# Allegro board AB9.brd (continued)
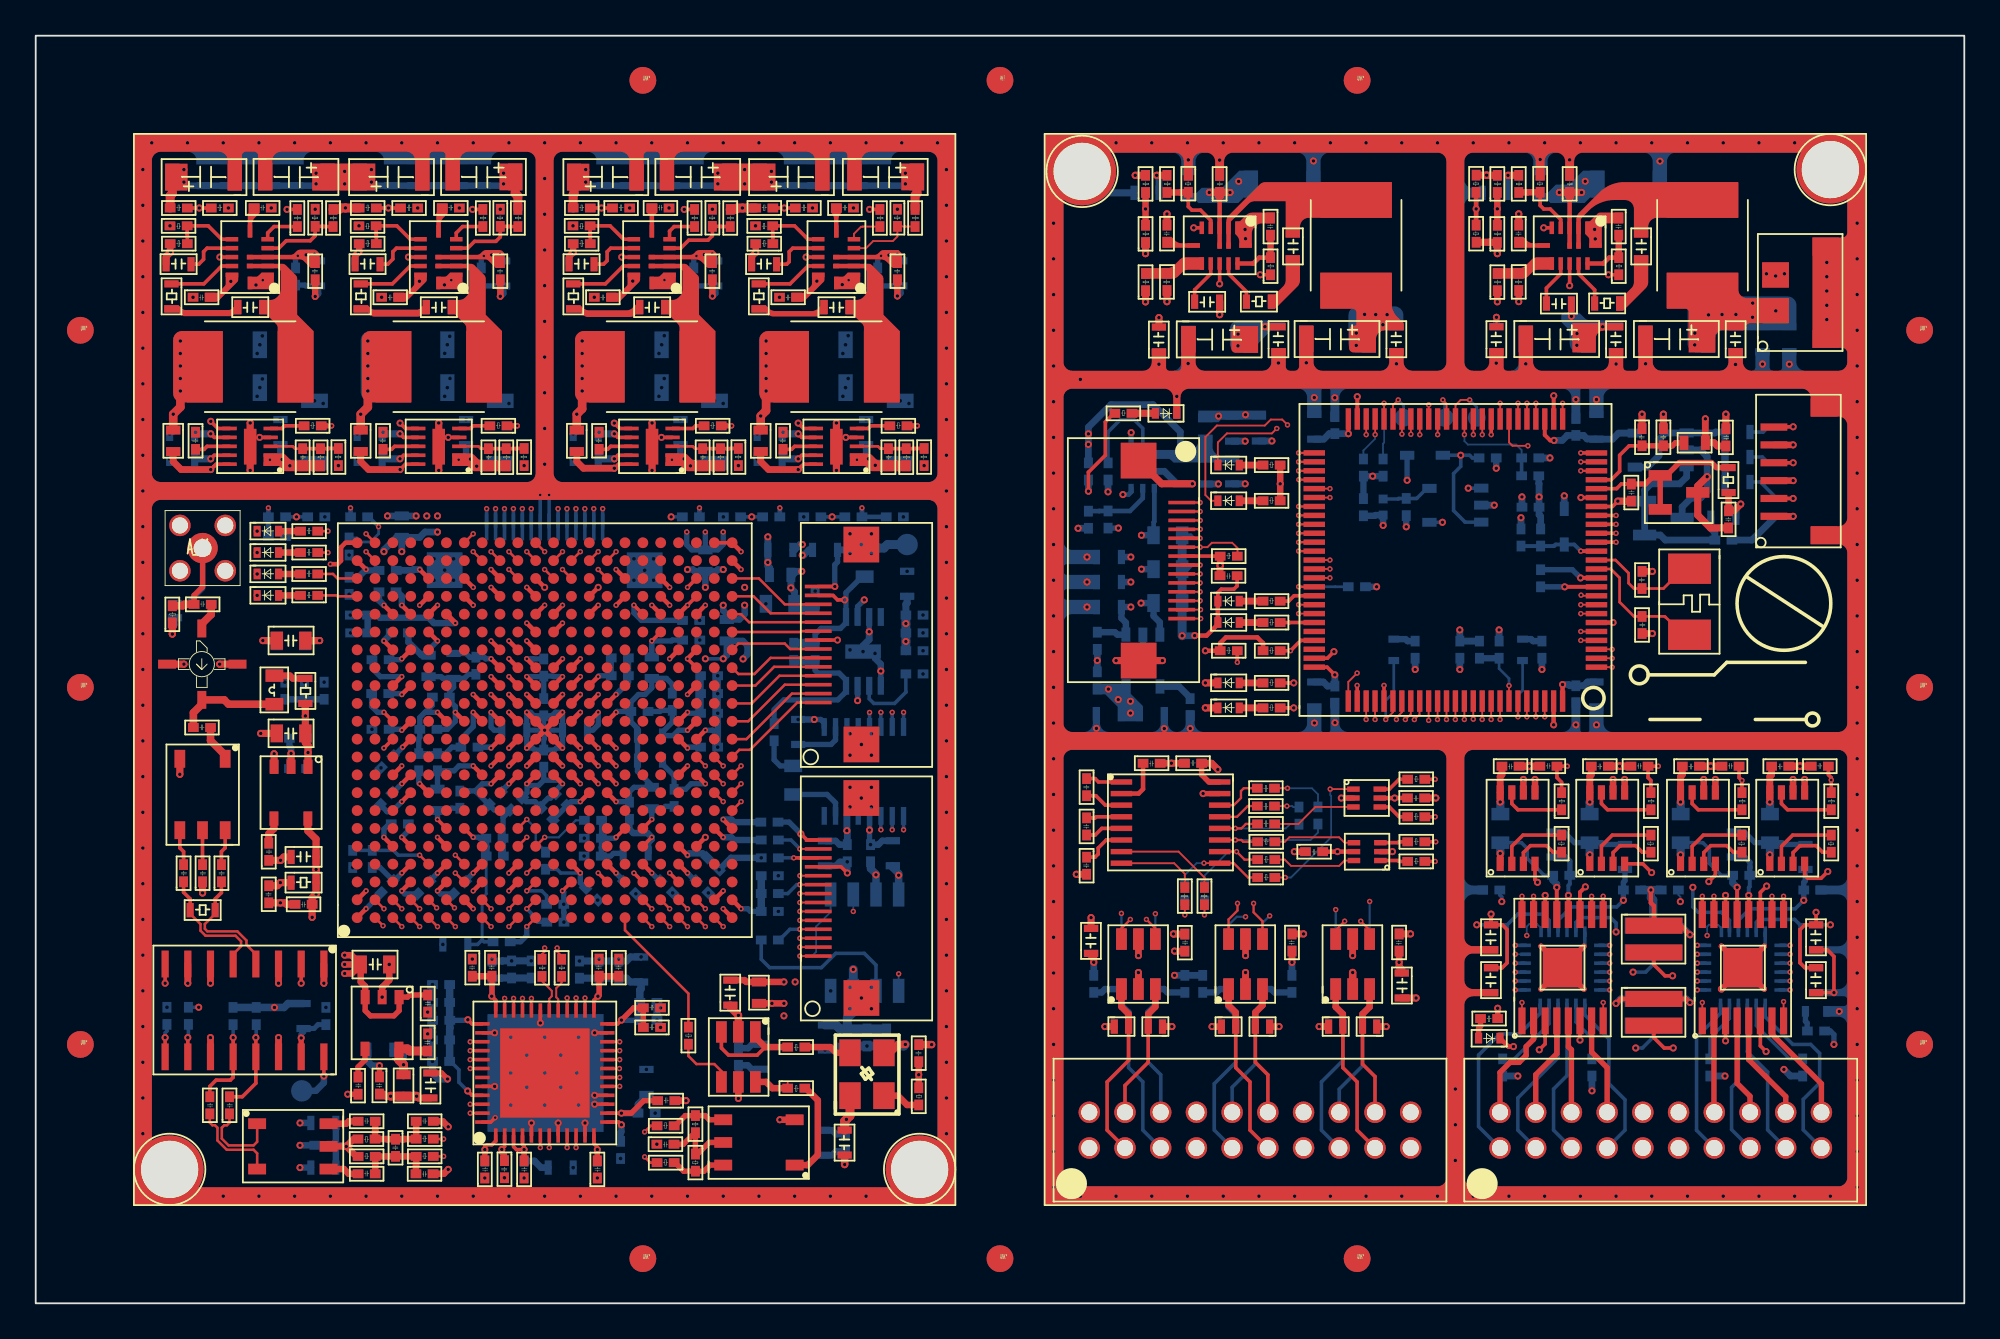
[diagram p0: board, top side]
## Placement (name value [footprint] x y rotation side) (continued)
NOREF#1255  -  []  79.85 26.08 90 top
NOREF#1256  -  []  86.99 36.5 0 top
NOREF#1257  -  []  15.8 24.6 90 top
NOREF#1258  -  []  46 60.7 90 top
NOREF#1259  -  []  19.45 31.76 90 top
NOREF#1260  -  []  48.62 59.21 90 top
NOREF#1261  -  []  29.2 31.7 90 top
NOREF#1262  -  []  60.8 27.25 90 top
NOREF#1263  -  []  36.97 49.54 0 top
NOREF#1264  -  []  71.75 32.18 90 top
NOREF#1265  -  []  15.97 38.48 0 top
NOREF#1266  -  []  102.68 25.76 90 top
NOREF#1267  -  []  64.7 61.12 90 top
NOREF#1268  -  []  58.49 39.2 0 top
NOREF#1269  -  []  38.96 46.46 90 top
NOREF#1270  -  []  38.1 50.5 90 top
NOREF#1271  -  []  6.48 36.05 90 top
NOREF#1272  -  []  86.8 26.54 90 top
NOREF#1273  -  []  16.91 8.01 0 top
NOREF#1274  -  []  21.07 7.06 90 top
NOREF#1275  -  []  63.5 58.32 90 top
NOREF#1276  -  []  79.35 20.85 0 top
NOREF#1277  -  []  12.4 52.1 0 top
NOREF#1278  -  []  22.9 54.5 0 top
NOREF#1279  -  []  36.8 30 90 top
NOREF#1280  -  []  83.2 58.32 90 top
NOREF#1281  -  []  98.5 17.3 90 top
NOREF#1282  -  []  43.34 60.18 90 top
NOREF#1283  -  []  14.57 49.54 0 top
NOREF#1284  -  []  33.79 14.8 0 top
NOREF#1285  -  []  86.62 13.23 0 top
NOREF#1286  -  []  76.74 20.87 90 top
NOREF#1287  -  []  7.3 49.91 0 top
NOREF#1288  -  []  63.45 48.68 90 top
NOREF#1289  -  []  69.19 54.01 0 top
NOREF#1290  -  []  31.75 25.35 0 top
NOREF#1291  -  []  93.63 30.47 90 top
NOREF#1292  -  []  21.07 6.08 90 top
NOREF#1293  -  []  44.49 64.1 90 top
NOREF#1294  -  []  104.8 34.6 90 top
NOREF#1295  -  []  65.71 21.43 0 top
NOREF#1296  -  []  8.55 22.43 0 top
NOREF#1297  -  []  15.97 39.68 0 top
NOREF#1298  -  []  41.77 25.56 0 top
NOREF#1299  -  []  19.25 58.18 0 top
NOREF#1300  -  []  44.49 65.7 0 top
NOREF#1301  -  []  38.49 18.2 0 top
NOREF#1302  -  []  13.75 28.78 0 top
NOREF#1303  -  []  32.36 6.05 90 top
NOREF#1304  -  []  88.69 60 90 top
NOREF#1305  -  []  90.97 44.47 0 top
NOREF#1306  -  []  65.7 15.8 90 top
NOREF#1307  -  []  48.27 36.16 90 top
NOREF#1308  -  []  43.8 41.75 0 top
NOREF#1309  -  []  11.59 62.5 0 top
NOREF#1310  -  []  45.79 62.5 0 top
NOREF#1311  -  []  19.5 48.29 90 top
NOREF#1312  -  []  39.01 9.4 90 top
NOREF#1313  -  []  86.19 49.9 0 top
NOREF#1314  -  []  95.31 44.41 0 top
NOREF#1315  -  []  94.79 54.8 0 top
NOREF#1316  -  []  92.9 50.01 0 top
NOREF#1317  -  []  68.2 48.19 90 top
NOREF#1318  -  []  34.1 25.9 0 top
NOREF#1319  -  []  77.97 24.68 0 top
NOREF#1320  -  []  98.5 20.51 0 top
NOREF#1321  -  []  33.57 15.84 0 top
NOREF#1322  -  []  34.37 10.96 90 top
NOREF#1323  -  []  18.3 62.27 0 top
NOREF#1324  -  []  15.09 44.3 90 top
NOREF#1325  -  []  84.63 45.18 90 top
NOREF#1326  -  []  48.27 39.72 0 top
NOREF#1327  -  []  24.32 9.02 90 top
NOREF#1328  -  []  26.74 46.45 90 top
NOREF#1329  -  []  38.3 37.7 0 top
NOREF#1330  -  []  43.07 55.96 90 top
NOREF#1331  -  []  26.32 32.09 0 top
NOREF#1332  -  []  94.41 46.45 0 top
NOREF#1333  -  []  87.25 28.91 90 top
NOREF#1334  -  []  61.62 58.32 0 top
NOREF#1335  -  []  22.73 14.5 0 top
NOREF#1336  -  []  42.3 34.91 90 top
NOREF#1337  -  []  63.2 14.8 0 top
NOREF#1338  -  []  24.06 17.86 0 top
NOREF#1339  -  []  30.2 17.89 90 top
NOREF#1340  -  []  58.28 39.65 0 top
NOREF#1341  -  []  85.7 25.76 0 top
NOREF#1342  -  []  82.79 59.93 90 top
NOREF#1343  -  []  46.42 57.7 0 top
NOREF#1344  -  []  23.64 16.68 90 top
NOREF#1345  -  []  34.3 20.31 0 top
NOREF#1346  -  []  16.34 46.45 90 top
NOREF#1347  -  []  21.07 9.02 90 top
NOREF#1348  -  []  94.05 22.76 90 top
NOREF#1349  -  []  64.7 56.39 0 top
NOREF#1350  -  []  46.09 48 0 top
NOREF#1351  -  []  49.36 46.46 0 top
NOREF#1352  -  []  85.7 36.63 90 top
NOREF#1353  -  []  85.37 28.91 0 top
NOREF#1354  -  []  42.3 34.91 90 top
NOREF#1355  -  []  25.86 6.57 0 top
NOREF#1356  -  []  81.38 29.18 0 top
NOREF#1357  -  []  83.23 15.82 0 top
NOREF#1358  -  []  34.9 25.9 90 top
NOREF#1359  -  []  62.82 61.12 0 top
NOREF#1360  -  []  67.9 53.2 90 top
NOREF#1361  -  []  46.73 42.88 90 top
NOREF#1362  -  []  45.84 25.87 90 top
NOREF#1363  -  []  83.75 40.63 0 top
NOREF#1364  -  []  32.86 25.05 0 top
NOREF#1365  -  []  67.41 45.8 90 top
NOREF#1366  -  []  13.56 33.37 0 top
NOREF#1367  -  []  19.33 30.8 0 top
NOREF#1368  -  []  68.4 54.01 0 top
NOREF#1369  -  []  6.59 47.5 90 top
NOREF#1370  -  []  40.17 26.12 0 top
NOREF#1371  -  []  89.5 24.35 0 top
NOREF#1372  -  []  8.99 62.5 90 top
NOREF#1373  -  []  75.29 17 0 top
NOREF#1374  -  []  43.07 55.96 90 top
NOREF#1375  -  []  8.37 31.86 90 top
NOREF#1376  -  []  91.75 31.25 0 top
NOREF#1377  -  []  86.96 42.85 90 top
NOREF#1378  -  []  61.4 43.92 90 top
NOREF#1379  -  []  21.9 16.1 0 top
NOREF#1380  -  []  25.63 56.87 0 top
NOREF#1381  -  []  19.49 62.5 90 top
NOREF#1382  -  []  94.79 54.01 0 top
NOREF#1383  -  []  46.09 48 90 top
NOREF#1384  -  []  99.4 53.2 90 top
NOREF#1385  -  []  34.1 34.8 0 top
NOREF#1386  -  []  75.2 14.8 0 top
NOREF#1387  -  []  60.8 29.2 0 top
NOREF#1388  -  []  26.96 46.46 0 top
NOREF#1389  -  []  21.07 6.08 90 top
NOREF#1390  -  []  43.19 62.5 0 top
NOREF#1391  -  []  38.96 12.87 0 top
NOREF#1392  -  []  8.07 26.5 0 top
NOREF#1393  -  []  25.96 48.33 0 top
NOREF#1394  -  []  26.74 46.45 90 top
NOREF#1395  -  []  13.44 24.35 90 top
NOREF#1396  -  []  80.6 54.01 0 top
NOREF#1397  -  []  96.39 53.2 90 top
NOREF#1398  -  []  47.87 56.87 0 top
NOREF#1399  -  []  72 25.76 90 top
NOREF#1400  -  []  8.1 38.3 90 top
NOREF#1401  -  []  35.93 8.77 0 top
NOREF#1402  -  []  21.42 15.21 0 top
NOREF#1403  -  []  48.27 36.16 0 top
NOREF#1404  -  []  28.35 59.21 90 top
NOREF#1405  -  []  87.97 24.36 90 top
NOREF#1406  -  []  92.9 50.01 0 top
NOREF#1407  -  []  32.26 17.86 0 top
NOREF#1408  -  []  17.36 22.35 90 top
NOREF#1409  -  []  32.36 6.05 0 top
NOREF#1410  -  []  25.74 46.45 90 top
NOREF#1411  -  []  31.37 57.8 90 top
NOREF#1412  -  []  95.57 28.91 0 top
NOREF#1413  -  []  17.55 26.75 0 top
NOREF#1414  -  []  86.64 50.03 0 top
NOREF#1415  -  []  40 30.41 0 top
NOREF#1416  -  []  63.69 45.8 90 top
NOREF#1417  -  []  37.81 6.71 90 top
NOREF#1418  -  []  63.2 14.2 0 top
NOREF#1419  -  []  83.2 55.62 90 top
NOREF#1420  -  []  92.35 28.91 90 top
NOREF#1421  -  []  84.63 46.18 90 top
NOREF#1422  -  []  92.9 49.2 90 top
NOREF#1423  -  []  17.16 41.13 0 top
NOREF#1424  -  []  46.42 56.89 90 top
NOREF#1425  -  []  47.54 58.17 90 top
NOREF#1426  -  []  93.31 43.9 90 top
NOREF#1427  -  []  49.36 46.46 90 top
NOREF#1428  -  []  37.24 58.17 90 top
NOREF#1429  -  []  37.19 7.9 0 top
NOREF#1430  -  []  100.43 21.98 90 top
NOREF#1431  -  []  73.82 25.8 0 top
NOREF#1432  -  []  33.57 16.94 0 top
NOREF#1433  -  []  38.36 59.21 0 top
NOREF#1434  -  []  14.57 49.54 0 top
NOREF#1435  -  []  21.42 15.21 0 top
NOREF#1436  -  []  16.56 46.46 0 top
NOREF#1437  -  []  77.15 46.14 90 top
NOREF#1438  -  []  24.97 49.54 0 top
NOREF#1439  -  []  66.6 49 0 top
NOREF#1440  -  []  24.32 9.02 90 top
NOREF#1441  -  []  26.96 46.46 90 top
NOREF#1442  -  []  21.6 38.1 0 top
NOREF#1443  -  []  30.92 28.39 90 top
NOREF#1444  -  []  36.46 60.05 0 top
NOREF#1445  -  []  21.57 60.18 0 top
NOREF#1446  -  []  21.5 62.27 90 top
NOREF#1447  -  []  9 46.89 90 top
NOREF#1448  -  []  91.5 24.35 90 top
NOREF#1449  -  []  74.69 45.6 0 top
NOREF#1450  -  []  33.99 62.5 0 top
NOREF#1451  -  []  86.8 54.79 90 top
NOREF#1452  -  []  7.75 22.51 0 top
NOREF#1453  -  []  40.17 19.96 90 top
NOREF#1454  -  []  70.5 56.51 90 top
NOREF#1455  -  []  15.3 36.5 90 top
NOREF#1456  -  []  86.8 26.54 90 top
NOREF#1457  -  []  74.92 46.83 0 top
NOREF#1458  -  []  40.7 62.27 0 top
NOREF#1459  -  []  102.45 28.91 90 top
NOREF#1460  -  []  19.32 30.33 90 top
NOREF#1461  -  []  81.32 55.62 0 top
NOREF#1462  -  []  33.57 15.06 90 top
NOREF#1463  -  []  29.2 31.7 90 top
NOREF#1464  -  []  22.99 38.1 0 top
NOREF#1465  -  []  15.26 56.87 90 top
NOREF#1466  -  []  79.85 28.18 90 top
NOREF#1467  -  []  59.2 42.31 0 top
NOREF#1468  -  []  66.67 62.73 90 top
NOREF#1469  -  []  19.04 37.38 90 top
NOREF#1470  -  []  17.85 38.48 90 top
NOREF#1471  -  []  44.61 22.8 90 top
NOREF#1472  -  []  34.05 61.74 0 top
NOREF#1473  -  []  39.01 9.4 90 top
NOREF#1474  -  []  94.41 46.45 0 top
NOREF#1475  -  []  41.1 34.91 0 top
NOREF#1476  -  []  68.2 48.19 90 top
NOREF#1477  -  []  44.42 17.5 90 top
NOREF#1478  -  []  92.45 47.8 90 top
NOREF#1479  -  []  39.74 12.87 90 top
NOREF#1480  -  []  30.25 23.88 0 top
NOREF#1481  -  []  88.05 20.6 0 top
NOREF#1482  -  []  31.5 49.11 90 top
NOREF#1483  -  []  74.62 44.62 0 top
NOREF#1484  -  []  30.26 26.44 90 top
NOREF#1485  -  []  63.69 45.8 0 top
NOREF#1486  -  []  31.25 27.81 90 top
NOREF#1487  -  []  60.38 35.89 0 top
NOREF#1488  -  []  29.9 49.91 0 top
NOREF#1489  -  []  61.62 61.12 0 top
NOREF#1490  -  []  87.16 48.54 0 top
NOREF#1491  -  []  80.3 18.11 0 top
NOREF#1492  -  []  40.01 -2.4 90 top
NOREF#1493  -  []  28.16 22.52 0 top
NOREF#1494  -  []  98.5 25.6 90 top
NOREF#1495  -  []  21.76 16.68 0 top
NOREF#1496  -  []  6.39 58.8 0 top
NOREF#1497  -  []  89.5 49.35 90 top
NOREF#1498  -  []  61.58 33.31 90 top
NOREF#1499  -  []  36.67 43.52 90 top
NOREF#1500  -  []  69.8 14.2 90 top
NOREF#1501  -  []  13 60.7 90 top
NOREF#1502  -  []  46.21 7.1 90 top
NOREF#1503  -  []  31.32 22.18 0 top
NOREF#1504  -  []  63.3 31.81 90 top
NOREF#1505  -  []  64.83 32.38 0 top
NOREF#1506  -  []  66.48 22.83 90 top
NOREF#1507  -  []  68.76 59.37 90 top
NOREF#1508  -  []  90.8 63.5 0 top
NOREF#1509  -  []  36.8 31.4 90 top
NOREF#1510  -  []  18.1 26.2 90 top
NOREF#1511  -  []  72.9 14.2 90 top
NOREF#1512  -  []  48.72 59.21 0 top
NOREF#1513  -  []  48.4 52.9 90 top
NOREF#1514  -  []  93.7 49.4 0 top
NOREF#1515  -  []  40.3 48.29 0 top
NOREF#1516  -  []  18.27 55 90 top
NOREF#1517  -  []  60.3 45.01 0 top
NOREF#1518  -  []  71.4 63.5 0 top
NOREF#1519  -  []  6.48 36.05 0 top
NOREF#1520  -  []  15.26 56.87 0 top
NOREF#1521  -  []  65.77 61.12 0 top
NOREF#1522  -  []  86.65 31.25 0 top
NOREF#1523  -  []  36.85 21.25 90 top
NOREF#1524  -  []  32.26 16.15 0 top
NOREF#1525  -  []  65.48 57.23 90 top
NOREF#1526  -  []  57.89 21.1 0 top
NOREF#1527  -  []  19.49 62.5 0 top
NOREF#1528  -  []  83.44 62.45 0 top
NOREF#1529  -  []  30.82 55.96 0 top
NOREF#1530  -  []  25.4 28.36 90 top
NOREF#1531  -  []  57.9 20.31 0 top
NOREF#1532  -  []  30.92 28.39 90 top
NOREF#1533  -  []  25.95 28.91 0 top
NOREF#1534  -  []  13.56 33.37 0 top
NOREF#1535  -  []  83.75 42.91 0 top
NOREF#1536  -  []  66.89 57.3 0 top
NOREF#1537  -  []  41.9 48.29 90 top
NOREF#1538  -  []  19.33 30.8 0 top
NOREF#1539  -  []  75.7 46.83 90 top
NOREF#1540  -  []  9.68 8.55 90 top
NOREF#1541  -  []  61.62 61.12 0 top
NOREF#1542  -  []  41.13 21.6 0 top
NOREF#1543  -  []  92.9 48.61 0 top
NOREF#1544  -  []  24.2 18.67 0 top
NOREF#1545  -  []  61.57 48.68 0 top
NOREF#1546  -  []  16.75 33.76 90 top
NOREF#1547  -  []  92.08 41.31 90 top
NOREF#1548  -  []  23.69 48 0 top
NOREF#1549  -  []  35.93 6.71 0 top
NOREF#1550  -  []  18.65 8.46 90 top
NOREF#1551  -  []  44.37 60.96 90 top
NOREF#1552  -  []  67.9 54.79 90 top
NOREF#1553  -  []  90.97 44.47 90 top
NOREF#1554  -  []  100.8 34.6 0 top
NOREF#1555  -  []  85.41 23.3 90 top
NOREF#1556  -  []  63.43 30.64 90 top
NOREF#1557  -  []  63.87 29.86 90 top
NOREF#1558  -  []  14.67 29.52 90 top
NOREF#1559  -  []  48.27 37.16 90 top
NOREF#1560  -  []  6.39 57.2 90 top
NOREF#1561  -  []  17.9 48.29 0 top
NOREF#1562  -  []  34.1 34.8 90 top
NOREF#1563  -  []  24.56 60.05 0 top
NOREF#1564  -  []  66.6 47.4 0 top
NOREF#1565  -  []  82.52 61.12 0 top
NOREF#1566  -  []  68.62 56.51 0 top
NOREF#1567  -  []  59.3 39.41 0 top
NOREF#1568  -  []  20.2 11.4 0 top
NOREF#1569  -  []  21.6 38.1 0 top
NOREF#1570  -  []  64.7 61.12 90 top
NOREF#1571  -  []  16.22 56.89 90 top
NOREF#1572  -  []  65.77 61.12 0 top
NOREF#1573  -  []  47.59 39.5 90 top
NOREF#1574  -  []  28.4 46.89 0 top
NOREF#1575  -  []  36.59 65.7 0 top
NOREF#1576  -  []  18.81 24.72 0 top
NOREF#1577  -  []  70.6 16.31 0 top
NOREF#1578  -  []  81.32 61.12 0 top
NOREF#1579  -  []  90.47 28.91 0 top
NOREF#1580  -  []  89.92 26.54 0 top
NOREF#1581  -  []  9.8 60.7 0 top
NOREF#1582  -  []  93.5 53.22 90 top
NOREF#1583  -  []  80.91 62.73 0 top
NOREF#1584  -  []  22.9 52.1 0 top
NOREF#1585  -  []  17.17 37.94 90 top
NOREF#1586  -  []  63.81 23.04 0 top
NOREF#1587  -  []  72.3 14.2 0 top
NOREF#1588  -  []  59.2 42.31 0 top
NOREF#1589  -  []  14.67 29.52 90 top
NOREF#1590  -  []  35.5 60.7 90 top
NOREF#1591  -  []  98.55 21.98 0 top
NOREF#1592  -  []  63.6 57.23 0 top
NOREF#1593  -  []  25.04 36.37 90 top
NOREF#1594  -  []  83 53.2 90 top
NOREF#1595  -  []  24.2 26.2 90 top
NOREF#1596  -  []  46.74 59.21 0 top
NOREF#1597  -  []  29.63 59.96 0 top
NOREF#1598  -  []  40.95 43.66 90 top
NOREF#1599  -  []  88.18 42.87 0 top
NOREF#1600  -  []  63.2 14.2 0 top
NOREF#1601  -  []  72.48 16.31 90 top
NOREF#1602  -  []  15.26 56.87 90 top
NOREF#1603  -  []  61.62 55.62 0 top
NOREF#1604  -  []  68.62 56.51 0 top
NOREF#1605  -  []  94 61.9 90 top
NOREF#1606  -  []  61.38 16.31 90 top
NOREF#1607  -  []  95.02 26.54 0 top
NOREF#1608  -  []  23.35 29.98 0 top
NOREF#1609  -  []  71.45 22.68 90 top
NOREF#1610  -  []  10.15 21.62 90 top
NOREF#1611  -  []  65.7 16.8 0 top
NOREF#1612  -  []  84.22 60.57 90 top
NOREF#1613  -  []  50.59 59.21 90 top
NOREF#1614  -  []  80.32 36.63 0 top
NOREF#1615  -  []  22.31 60.96 90 top
NOREF#1616  -  []  86.26 63.49 90 top
NOREF#1617  -  []  95.8 25.76 0 top
NOREF#1618  -  []  72 33.3 0 top
NOREF#1619  -  []  15.8 23.16 90 top
NOREF#1620  -  []  41.46 47.37 90 top
NOREF#1621  -  []  41.13 20.6 90 top
NOREF#1622  -  []  31.06 4.95 0 top
NOREF#1623  -  []  40.1 19 0 top
NOREF#1624  -  []  28.16 22.52 0 top
NOREF#1625  -  []  61.57 48.68 0 top
NOREF#1626  -  []  34.32 8.52 0 top
NOREF#1627  -  []  98.5 17.3 90 top
NOREF#1628  -  []  98.42 13.23 0 top
NOREF#1629  -  []  45.74 6.45 0 top
NOREF#1630  -  []  39.5 42.4 90 top
NOREF#1631  -  []  17.36 22.35 90 top
NOREF#1632  -  []  86.39 55.6 90 top
NOREF#1633  -  []  98.55 21.98 0 top
NOREF#1634  -  []  16 59.21 90 top
NOREF#1635  -  []  59.24 25.77 0 top
NOREF#1636  -  []  24.96 48.33 0 top
NOREF#1637  -  []  87.79 22.6 0 top
NOREF#1638  -  []  40.24 59.21 90 top
NOREF#1639  -  []  30.82 55.96 0 top
NOREF#1640  -  []  86.19 48.3 90 top
NOREF#1641  -  []  25.95 28.91 0 top
NOREF#1642  -  []  96.35 16.77 0 top
NOREF#1643  -  []  49.84 10.65 90 top
NOREF#1644  -  []  40.09 41.2 90 top
NOREF#1645  -  []  44.21 42.6 90 top
NOREF#1646  -  []  38.37 33.76 0 top
NOREF#1647  -  []  86.1 41.8 90 top
NOREF#1648  -  []  16.4 47.2 90 top
NOREF#1649  -  []  25.2 47.2 90 top
NOREF#1650  -  []  35.5 60.7 90 top
NOREF#1651  -  []  14.19 62.5 0 top
NOREF#1652  -  []  64.8 62.73 0 top
NOREF#1653  -  []  24.97 48.76 90 top
NOREF#1654  -  []  14.57 48.76 90 top
NOREF#1655  -  []  84.66 64.3 0 top
NOREF#1656  -  []  98.5 19.7 90 top
NOREF#1657  -  []  10.29 62.5 0 top
NOREF#1658  -  []  72.36 46.65 0 top
NOREF#1659  -  []  46.16 12.35 90 top
NOREF#1660  -  []  83.5 13.23 90 top
NOREF#1661  -  []  60.89 31.8 90 top
NOREF#1662  -  []  65.48 57.23 90 top
NOREF#1663  -  []  45.84 25.87 90 top
NOREF#1664  -  []  96.3 54.01 0 top
NOREF#1665  -  []  63.8 14.8 90 top
NOREF#1666  -  []  59.7 16.2 0 top
NOREF#1667  -  []  41.19 55.96 0 top
NOREF#1668  -  []  26.8 47.2 90 top
NOREF#1669  -  []  19.5 12.22 0 top
NOREF#1670  -  []  93.7 49.4 0 top
NOREF#1671  -  []  32.7 55.96 90 top
NOREF#1672  -  []  46 60.7 90 top
NOREF#1673  -  []  73.69 24.44 90 top
NOREF#1674  -  []  94.7 23.3 0 top
NOREF#1675  -  []  84.5 62.73 0 top
NOREF#1676  -  []  69.96 22.75 0 top
NOREF#1677  -  []  39.74 12.87 90 top
NOREF#1678  -  []  89.8 50.09 0 top
NOREF#1679  -  []  12.89 64.1 90 top
NOREF#1680  -  []  14.48 14.51 90 top
NOREF#1681  -  []  94.79 54.01 0 top
NOREF#1682  -  []  14.6 16.1 0 top
NOREF#1683  -  []  18.27 55 0 top
NOREF#1684  -  []  39.49 46.1 0 top
NOREF#1685  -  []  26.63 24.88 90 top
NOREF#1686  -  []  101.7 20.49 90 top
NOREF#1687  -  []  43.8 40.5 90 top
NOREF#1688  -  []  35.89 17.1 90 top
NOREF#1689  -  []  40.19 16.21 0 top
NOREF#1690  -  []  23.36 27.27 0 top
NOREF#1691  -  []  12.4 10.06 0 top
NOREF#1692  -  []  38.24 59.21 90 top
NOREF#1693  -  []  69.8 14.8 90 top
NOREF#1694  -  []  33.12 60.18 90 top
NOREF#1695  -  []  63.74 62.45 0 top
NOREF#1696  -  []  83.2 61.12 90 top
NOREF#1697  -  []  69.87 45.78 0 top
NOREF#1698  -  []  17.52 10.61 0 top
NOREF#1699  -  []  35.69 48 0 top
NOREF#1700  -  []  41.9 48.29 90 top
NOREF#1701  -  []  41.1 34.91 0 top
NOREF#1702  -  []  19.45 32.54 0 top
NOREF#1703  -  []  79.3 61.79 90 top
NOREF#1704  -  []  86.06 42.85 0 top
NOREF#1705  -  []  15.09 44.3 90 top
NOREF#1706  -  []  29.62 32.45 90 top
NOREF#1707  -  []  35.52 22.58 0 top
NOREF#1708  -  []  16.05 42.56 90 top
NOREF#1709  -  []  14.37 42.86 90 top
NOREF#1710  -  []  47.26 12.35 0 top
NOREF#1711  -  []  23.3 15.21 90 top
NOREF#1712  -  []  31.6 48.29 90 top
NOREF#1713  -  []  90.67 46.94 0 top
NOREF#1714  -  []  24.26 38.25 0 top
NOREF#1715  -  []  95.3 48.6 90 top
NOREF#1716  -  []  36 25.61 90 top
NOREF#1717  -  []  0 71 0 top
NOREF#1718  -  []  14.06 21.96 0 top
NOREF#1719  -  []  61.7 53.18 90 top
NOREF#1720  -  []  35.2 32.21 0 top
NOREF#1721  -  []  25.15 19.08 0 top
NOREF#1722  -  []  50.01 33.9 0 top
NOREF#1723  -  []  28.84 34.33 0 top
NOREF#1724  -  []  48.62 59.21 90 top
NOREF#1725  -  []  100.1 20.49 0 top
NOREF#1726  -  []  13.44 24.35 90 top
NOREF#1727  -  []  90.2 42.09 0 top
NOREF#1728  -  []  8.7 16.12 90 top
NOREF#1729  -  []  65.7 22.83 0 top
NOREF#1730  -  []  15.41 58.49 0 top
NOREF#1731  -  []  97.8 54.01 0 top
NOREF#1732  -  []  21.7 11.4 0 top
NOREF#1733  -  []  44.6 8.7 0 top
NOREF#1734  -  []  98.5 25.6 90 top
NOREF#1735  -  []  83.23 15.82 0 top
NOREF#1736  -  []  78.24 28.7 90 top
NOREF#1737  -  []  43.8 22.8 0 top
NOREF#1738  -  []  18.61 55.6 90 top
NOREF#1739  -  []  73.79 27.8 0 top
NOREF#1740  -  []  100.57 28.91 0 top
NOREF#1741  -  []  18.3 62.27 0 top
NOREF#1742  -  []  14.12 59.21 0 top
NOREF#1743  -  []  65.71 21.43 0 top
NOREF#1744  -  []  32.3 60.7 0 top
NOREF#1745  -  []  13.89 29.52 0 top
NOREF#1746  -  []  15.3 36.5 90 top
NOREF#1747  -  []  77.97 26.08 0 top
NOREF#1748  -  []  0 0 90 top
NOREF#1749  -  []  20.65 29.39 0 top
NOREF#1750  -  []  61.08 42.31 90 top
NOREF#1751  -  []  47.37 48.76 90 top
NOREF#1752  -  []  80.3 17.3 90 top
NOREF#1753  -  []  41.46 58.18 0 top
NOREF#1754  -  []  24.56 60.05 0 top
NOREF#1755  -  []  12.05 31.3 90 top
NOREF#1756  -  []  69.87 43.78 0 top
NOREF#1757  -  []  40.17 23.56 90 top
NOREF#1758  -  []  71 25.74 0 top
NOREF#1759  -  []  16 59.21 90 top
NOREF#1760  -  []  18.27 55 0 top
NOREF#1761  -  []  40.69 38.55 90 top
NOREF#1762  -  []  12.66 26.23 0 top
NOREF#1763  -  []  20.65 22.39 0 top
NOREF#1764  -  []  20.79 62.5 0 top
NOREF#1765  -  []  74.62 44.62 90 top
NOREF#1766  -  []  31.16 17.86 0 top
NOREF#1767  -  []  40.17 19.96 0 top
NOREF#1768  -  []  14.2 25.41 0 top
NOREF#1769  -  []  25.63 56.87 90 top
NOREF#1770  -  []  43.53 11.66 90 top
NOREF#1771  -  []  32.36 6.05 0 top
NOREF#1772  -  []  64.7 54.8 0 top
NOREF#1773  -  []  85.62 40.63 90 top
NOREF#1774  -  []  15.34 46.45 90 top
NOREF#1775  -  []  15.56 48.33 0 top
NOREF#1776  -  []  29.84 17.85 90 top
NOREF#1777  -  []  38.37 33.76 0 top
NOREF#1778  -  []  45.56 60.18 90 top
NOREF#1779  -  []  17.52 10.61 0 top
NOREF#1780  -  []  83.77 61.9 90 top
NOREF#1781  -  []  71.75 38.16 90 top
NOREF#1782  -  []  58.28 37.77 90 top
NOREF#1783  -  []  15.41 58.49 0 top
NOREF#1784  -  []  85.7 36.63 90 top
NOREF#1785  -  []  26.1 50.5 90 top
NOREF#1786  -  []  11 65.47 0 top
NOREF#1787  -  []  66.48 22.83 90 top
NOREF#1788  -  []  31.06 8.44 0 top
NOREF#1789  -  []  38.74 46.45 90 top
NOREF#1790  -  []  82.2 36.63 90 top
NOREF#1791  -  []  57.35 40.8 0 top
NOREF#1792  -  []  75.29 17 0 top
NOREF#1793  -  []  40.19 16.21 0 top
NOREF#1794  -  []  71.75 35.38 90 top
NOREF#1795  -  []  58.28 39.65 0 top
NOREF#1796  -  []  86.96 42.85 90 top
NOREF#1797  -  []  81.32 58.32 0 top
NOREF#1798  -  []  66.9 14.2 90 top
NOREF#1799  -  []  63.45 48.68 90 top
NOREF#1800  -  []  84.3 46.25 90 top
NOREF#1801  -  []  33.12 58.18 90 top
NOREF#1802  -  []  28.4 46.89 0 top
NOREF#1803  -  []  45.06 12.35 90 top
NOREF#1804  -  []  17.16 39.46 90 top
NOREF#1805  -  []  57.5 28.93 0 top
NOREF#1806  -  []  10.55 60.18 90 top
NOREF#1807  -  []  13.3 37.75 0 top
NOREF#1808  -  []  12.92 34.33 90 top
NOREF#1809  -  []  12.85 60.18 90 top
NOREF#1810  -  []  48.27 36.16 90 top
NOREF#1811  -  []  64.6 16.31 0 top
NOREF#1812  -  []  64.8 55.69 0 top
NOREF#1813  -  []  31.51 59.96 90 top
NOREF#1814  -  []  41.89 62.5 0 top
NOREF#1815  -  []  89.8 50.09 0 top
NOREF#1816  -  []  38.85 21.25 90 top
NOREF#1817  -  []  30.2 18.67 0 top
NOREF#1818  -  []  63.6 57.23 0 top
NOREF#1819  -  []  100.64 14.08 90 top
NOREF#1820  -  []  67.95 28.46 0 top
NOREF#1821  -  []  79.85 28.18 90 top
NOREF#1822  -  []  37.19 7.9 0 top
NOREF#1823  -  []  35.9 19.5 90 top
NOREF#1824  -  []  13.62 54.6 90 top
NOREF#1825  -  []  21.07 9.02 90 top
NOREF#1826  -  []  89.6 24.03 90 top
NOREF#1827  -  []  86.1 41.8 90 top
NOREF#1828  -  []  83.6 56.39 0 top
NOREF#1829  -  []  38.85 21.25 90 top
NOREF#1830  -  []  40.25 42.88 0 top
NOREF#1831  -  []  40.2 49.91 0 top
NOREF#1832  -  []  95.3 48.6 90 top
NOREF#1833  -  []  47.26 12.35 90 top
NOREF#1834  -  []  47.54 58.17 90 top
NOREF#1835  -  []  36.75 10.26 90 top
NOREF#1836  -  []  64.8 55.69 90 top
NOREF#1837  -  []  37.24 58.17 90 top
NOREF#1838  -  []  86.1 44.8 0 top
NOREF#1839  -  []  15.6 52.9 90 top
NOREF#1840  -  []  71.45 23.68 90 top
NOREF#1841  -  []  65.1 44.98 0 top
NOREF#1842  -  []  82.79 62.73 90 top
NOREF#1843  -  []  92.9 47.8 90 top
NOREF#1844  -  []  48.27 37.16 0 top
NOREF#1845  -  []  12.6 14.51 0 top
NOREF#1846  -  []  42.8 60.7 0 top
NOREF#1847  -  []  69.83 27.46 90 top
NOREF#1848  -  []  77.62 37.41 90 top
NOREF#1849  -  []  95.2 46.12 0 top
NOREF#1850  -  []  43.05 28.3 90 top
NOREF#1851  -  []  89.55 48.74 90 top
NOREF#1852  -  []  8.81 22.51 0 top
NOREF#1853  -  []  7.4 46.89 0 top
NOREF#1854  -  []  34.05 61.74 0 top
NOREF#1855  -  []  20.16 13.94 0 top
NOREF#1856  -  []  81.38 29.18 0 top
NOREF#1857  -  []  74.6 14.2 90 top
NOREF#1858  -  []  69.8 14.8 90 top
NOREF#1859  -  []  59.2 45.01 0 top
NOREF#1860  -  []  16.2 42.37 0 top
NOREF#1861  -  []  20.16 17.24 0 top
NOREF#1862  -  []  34.9 54.5 0 top
NOREF#1863  -  []  22.5 44.3 90 top
NOREF#1864  -  []  34.9 25.9 90 top
NOREF#1865  -  []  46.09 48 0 top
NOREF#1866  -  []  100.3 13.23 90 top
NOREF#1867  -  []  39.07 7.9 90 top
NOREF#1868  -  []  37.54 25.56 90 top
NOREF#1869  -  []  24.76 4.95 0 top
NOREF#1870  -  []  50.59 59.21 90 top
NOREF#1871  -  []  100.02 26.54 0 top
NOREF#1872  -  []  32.26 17.86 90 top
NOREF#1873  -  []  10.29 62.5 0 top
NOREF#1874  -  []  14.34 33.37 90 top
NOREF#1875  -  []  59.5 16.31 0 top
NOREF#1876  -  []  85.6 42.5 90 top
NOREF#1877  -  []  43.8 41.75 0 top
NOREF#1878  -  []  13.98 34.61 0 top
NOREF#1879  -  []  36.82 32.75 90 top
NOREF#1880  -  []  33.72 55.39 0 top
NOREF#1881  -  []  47.37 48.76 90 top
NOREF#1882  -  []  23.39 64.1 90 top
NOREF#1883  -  []  13.29 48 0 top
NOREF#1884  -  []  38.5 9.01 90 top
NOREF#1885  -  []  88.05 20.6 0 top
NOREF#1886  -  []  65.7 15.8 90 top
NOREF#1887  -  []  81.1 49.36 0 top
NOREF#1888  -  []  14.19 62.5 90 top
NOREF#1889  -  []  12.92 34.33 0 top
NOREF#1890  -  []  87.3 61.89 0 top
NOREF#1891  -  []  19.45 37.94 0 top
NOREF#1892  -  []  26.27 60.82 0 top
NOREF#1893  -  []  37.5 56.87 0 top
NOREF#1894  -  []  74.5 54.79 90 top
NOREF#1895  -  []  27.6 32.51 0 top
NOREF#1896  -  []  30.26 26.44 90 top
NOREF#1897  -  []  11.25 34.21 0 top
NOREF#1898  -  []  68.1 49.01 0 top
NOREF#1899  -  []  72.36 46.65 90 top
NOREF#1900  -  []  100.8 25.76 0 top
NOREF#1901  -  []  79.85 26.08 90 top
NOREF#1902  -  []  36.45 44.44 0 top
NOREF#1903  -  []  30 48.29 0 top
NOREF#1904  -  []  50.01 33.9 0 top
NOREF#1905  -  []  97.9 53.2 90 top
NOREF#1906  -  []  6.59 47.5 0 top
NOREF#1907  -  []  20.65 29.39 90 top
NOREF#1908  -  []  14.22 23.57 90 top
NOREF#1909  -  []  102.68 25.76 90 top
NOREF#1910  -  []  24.69 64.1 90 top
NOREF#1911  -  []  59.7 16.8 0 top
NOREF#1912  -  []  39.49 46.1 90 top
NOREF#1913  -  []  6.39 57.2 90 top
NOREF#1914  -  []  37.52 22.58 0 top
NOREF#1915  -  []  76.72 36.63 0 top
NOREF#1916  -  []  86.65 31.25 0 top
NOREF#1917  -  []  83.2 61.12 90 top
NOREF#1918  -  []  69.83 28.46 90 top
NOREF#1919  -  []  81.4 54.01 0 top
NOREF#1920  -  []  40.95 43.66 90 top
NOREF#1921  -  []  9.63 22.51 90 top
NOREF#1922  -  []  48.4 50.5 90 top
NOREF#1923  -  []  77.71 17 90 top
NOREF#1924  -  []  35.77 36.76 90 top
NOREF#1925  -  []  82.64 42.91 0 top
NOREF#1926  -  []  18.61 55.6 90 top
NOREF#1927  -  []  59.52 43.92 0 top
NOREF#1928  -  []  17.78 58.61 0 top
NOREF#1929  -  []  35.38 12.45 90 top
NOREF#1930  -  []  19.06 47.37 90 top
NOREF#1931  -  []  21.89 22.1 0 top
NOREF#1932  -  []  8.67 58.18 0 top
NOREF#1933  -  []  14.77 44.44 90 top
NOREF#1934  -  []  39.9 36.9 90 top
